# Altium PCB 2 Layers.PcbDoc (part 2 of 2)
Units mm, origin at the board's own origin, x right, y up, seen from the top; angles counter-clockwise.
Board outline 88.4 x 35.06 mm, 4 copper layers (Top Layer 1, Signal 1, Signal 2, Bottom Layer 1), stack 1.782 mm thick; 98 components, 66 nets, 394 pads, 465 vias.
Unrouted connection lines stored in the file: 2.
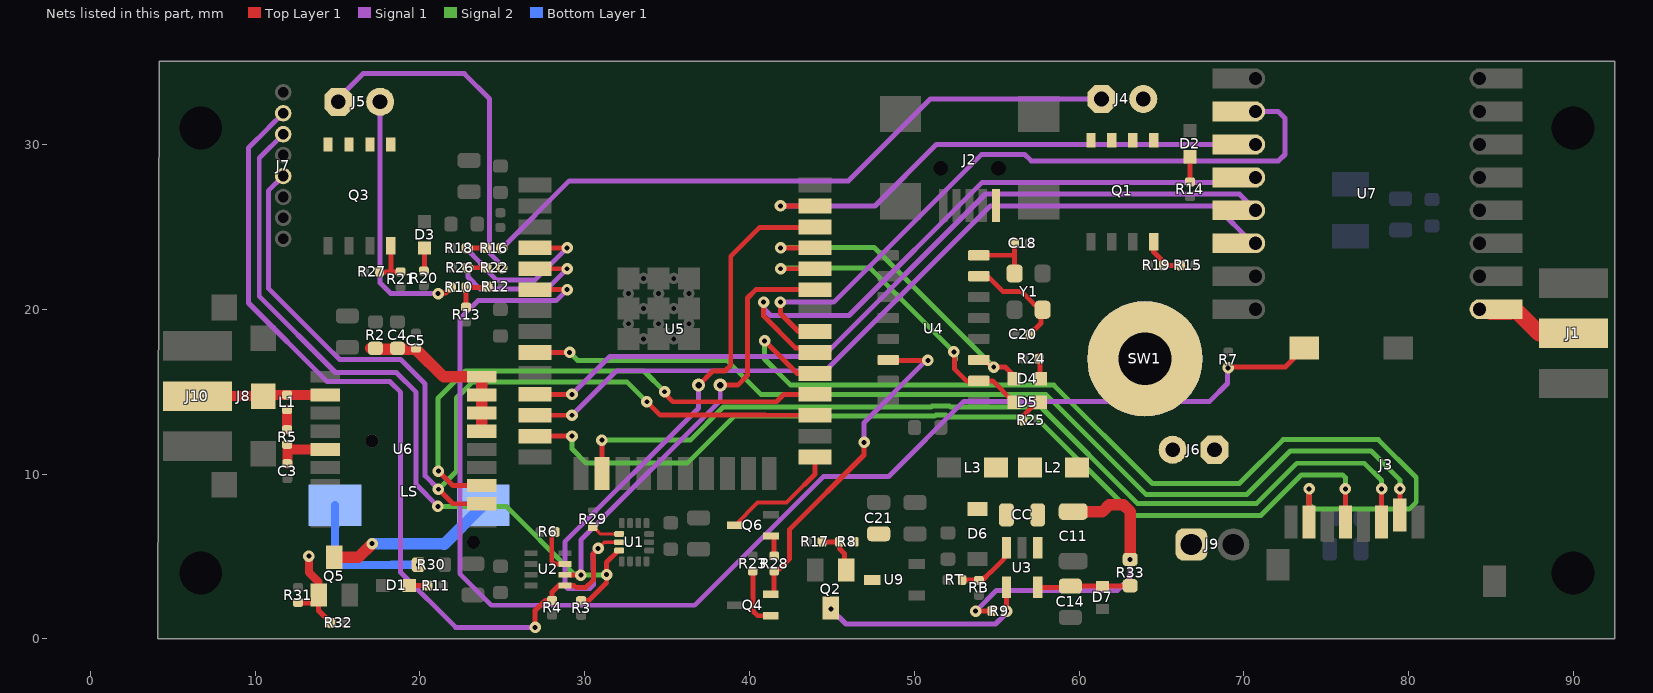
[diagram p4: the nets of this part, all layers, seen from the top]

## Via types
v1: diameter 0.8, hole 0.4, Top Layer 1 to Bottom Layer 1, tented both sides, 334 vias
v2: diameter 0.7, hole 0.3, Top Layer 1 to Bottom Layer 1, tented both sides, 106 vias
v3: diameter 0.7, hole 0.3, Top Layer 1 to Bottom Layer 1, 23 vias
v4: diameter 1.5, hole 1.5, Top Layer 1 to Bottom Layer 1, tented both sides, 2 vias

## Nets (pads, with @x,y where several pads share a name; then routed paths per layer and width w, separated by ;. In a path a pad name is that pad's centre, name@x,y a point inside that pad or via, vN(x,y) a via of type N, cw(c..) or ccw(c..) an arc to the next point about the centre after c; other vN are vias at no path point) (continued)
GPS_RX: U5.28 U6.3 | length 32
  Top Layer 1 w0.3: v2(21.124,10.183) 22.008,9.3 U6.3@23.75,9.3 ; v2(34.852,15) 34.852,14.892 35.353,14.391 41.639,14.391 42.091,14.843 U5.28@43.987,14.843
  Signal 2 w0.3: v2(21.124,10.183) 21.1,10.208 21.1,14.6 22.756,16.256 33.596,16.256 v2(34.852,15)
GPS_TX: J7.5 U5.27 U6.2 | length 57.8
  Top Layer 1 w0.3: v2(21.124,9.083) 22.008,8.2 U6.2@23.75,8.2 ; v2@33.803,14.367 34.593,13.577 40.93,13.577 40.934,13.573 U5.27@43.987,13.573
  Signal 1 w0.3: J7.5@11.7,28.09 11.697,28.09 10.8,27.193 10.8,21.277 14.2,17.877 15.125,16.952 18.835,16.952 20.317,15.47 20.317,9.891 v2(21.124,9.083)
  Signal 2 w0.3: v2(21.124,9.083) 22.218,10.177 22.218,14.618 23.2,15.6 32.561,15.6 v2(33.77,14.391)
IO0: Q6.3 U5.25 | length 7.2
  Top Layer 1 w0.25: Q6.3@39.11,6.894 40.492,8.276 42.252,8.276 43.338,9.362
  Top Layer 1 w0.3: 43.338,9.362 43.987,10.011 U5.25@43.987,11.033
NetC14_2: C14.2 D7.2 R33.1 U3.5 | length 5.6
  Top Layer 1 w0.3: U3.5@57.493,3.125 59.399,3.125 C14.2@59.478,3.204 D7.2@61.419,3.204 ; D7.2@61.419,3.222 63.094,3.222 R33.1@63.1,3.228
NetD1_1: D1.1 R11.1 | length 1.2
  Top Layer 1 w0.3: D1.1@19.349,3.245 19.364,3.229 R11.1@20.5,3.229
NetD2_1: D2.1 R14.1 | length 1.5
  Top Layer 1 w0.3: R14.1@66.734,27.739 D2.1@66.734,29.257
NetD3_1: D3.1 R20.1 | length 1.5
  Top Layer 1 w0.3: R20.1@20.087,22.278 20.112,22.278 20.237,22.403 20.237,22.529 20.287,22.579 D3.1@20.287,23.716
NetD4_1: D4.1 R24.1 | length 1.2
  Top Layer 1 w0.3: R24.1@57.564,17.187 57.62,17.131 D4.1@57.62,16.002
NetD5_1: D5.1 R25.1 | length 1.7
  Top Layer 1 w0.3: R25.1@56.606,13.259 56.606,13.549 57.174,14.117 57.399,14.117 D5.1@57.649,14.367
NetJ1_1: J1.1 U7.9 U7.9_1 | length 7.5
  Top Layer 1 w0.8: U7.9@84.979,19.762 U7.9@86.179,19.762
  Top Layer 1 w1: U7.9_1@84.3,20.009 U7.9@85.5,20.009 86.46,20.009 87.926,18.543 J1.1@90,18.543
NetJ4_1: J4.1 Q1.5 Q1.6 Q1.7 Q1.8 R16.2 | length 40.1
  Signal 1 w0.3: v2(24.98,23.716) 29.064,27.8 46.009,27.8 50.975,32.766 J4.1@61.357,32.766
NetJ5_1: J5.1 Q3.5 Q3.6 Q3.7 Q3.8 R22.2 | length 21.2
  Signal 1 w0.3: J5.1@15.047,32.596 15.047,32.798 16.549,34.3 22.7,34.3 24.234,32.766 24.234,24.031 24.23,24.026 24.23,23.405 24.773,22.862 24.773,22.826 24.966,22.632 v2(24.966,22.524)
NetJ6_1: J6.1 J9.1 SW1.2
NetJ8_3: J8.3 J10.1 L1.2 U6.11 | length 7.8
  Top Layer 1 w0.6: J10.1@6.5,14.734 10.496,14.734 J8.3@10.499,14.737 10.562,14.8 U6.11@14.25,14.8
NetL1_1: L1.1 R5.2 | length 1.2
  Top Layer 1 w0.6: R5.2@11.94,12.7 L1.1@11.94,13.911
NetLS_M: LS.M Q5.3 | length 10.5
  Top Layer 1 w0.7: Q5.3@14.799,4.954 16.277,4.954 v2(17.105,5.782)
  Bottom Layer 1 w0.7: v2(17.105,5.782) v2@17.125,5.762 ; v2@17.145,5.742 v2@17.125,5.762 ; 21.458,5.762 v2@17.125,5.762 ; 21.478,5.742 LS.M@23.675,7.939 ; LS.M@23.5,8.114 LS.M@23.85,8.114
NetLS_P: LS.P R30.1 | length 8.4
  Bottom Layer 1 w0.5: LS.P@14.85,8.114 14.85,4.892 15.25,4.491 18.287,4.491 18.296,4.501 v2(19.9,4.501)
NetQ1_4: Q1.4 R15.1 R19.2 | length 2.9
  Top Layer 1 w0.3: Q1.4@64.532,24.111 64.532,23.481 65.001,23.012 65.001,22.797 R19.2@65.126,22.672 66.258,22.672 R15.1@66.31,22.62
NetQ2_1: Q2.1 R8.1 R17.2 | length 3.2
  Top Layer 1 w0.3: R17.2@44.414,5.871 45.375,5.871 45.435,5.931 R8.1@45.58,5.786 ; R8.1@45.455,5.894 45.455,5.483 45.763,5.175 45.763,4.292 Q2.1@45.885,4.17
NetQ2_3: Q2.3 R9.1 U3.4 | length 12.9
  Top Layer 1 w0.3: U3.4@55.593,3.125 55.607,3.111 R9.1@55.607,1.822
  Signal 1 w0.3: v2(44.935,1.822) 45.857,0.9 54.934,0.9 55.457,1.423 55.457,1.446 55.53,1.519 55.53,1.745 v2@55.607,1.822
  other v2: 55.607,1.687
NetQ3_4: Q3.4 R21.1 R27.2 | length 2.9
  Top Layer 1 w0.3: R27.2@17.537,22.278 18.234,22.278 R21.1@18.828,22.278 ; Q3.4@18.234,23.845 18.234,22.372 18.327,22.278
NetQ4_1: Q4.1 R23.2 | length 3.4
  Top Layer 1 w0.3: R23.2@40.21,3.897 40.21,1.687 40.494,1.403 Q4.1@41.3,1.403
NetQ5_1: Q5.1 R31.1 R32.2 | length 6
  Top Layer 1 w0.3: R31.1@12.552,2.19 13.499,2.19 Q5.1@13.849,2.54 ; Q5.1@13.849,2.654 Q5.1@13.849,2.54 ; R32.2@14.593,0.966 R32.2@14.6,0.973 13.849,1.724 Q5.1@13.849,2.54
  Top Layer 1 w0.5: v3(13.266,5.02) 13.266,4.037 13.849,3.454 Q5.1@13.849,2.654
NetQ6_1: Q6.1 R28.2 | length 1.3
  Top Layer 1 w0.3: Q6.1@41.31,6.244 41.48,6.074 R28.2@41.48,5.025
NetR6_1: R6.1 U2.2 | length 2.7
  Top Layer 1 w0.3: R6.1@28.2,6.489 28,6.289 28,4.708 28.176,4.532 28.787,4.532 U2.2@28.8,4.545
NetR10_1: R10.1 R12.1 R13.2 | length 2.5
  Top Layer 1 w0.3: R13.2@22.802,20.135 R10.1@22.802,21.336 24.076,21.336 R12.1@24.118,21.378
NetR29_2: R29.2 U1.12 | length 1.8
  Top Layer 1 w0.2: R29.2@30.487,6.81 30.492,6.81 30.687,6.614 30.687,6.61 30.931,6.365 U1.12@32.09,6.365
NetRB_2: RB.2 RT.1 U3.3 | length 3.8
  Top Layer 1 w0.3: RT.1@52.893,3.575 54.143,3.575 54.587,4.019 54.609,4.019 55.372,4.783 55.372,4.804 55.593,5.025 U3.3@55.593,5.525
RFM_CLK: U5.30 U7.4 U7.4_1 | length 38.8
  Top Layer 1 w0.3: v2(40.86,20.437) 40.86,19.592 42.785,17.667 43.703,17.667 U5.30@43.987,17.383
  Signal 1 w0.3: v2(40.86,20.437) 40.913,20.384 40.913,19.987 41.275,19.626 46.042,19.626 54.124,27.708 69.733,27.708 70,27.975 70.666,27.975 U7.4_1@70.7,28.009
RFM_MISO: U5.31 U7.2 U7.2_1 | length 42.1
  Top Layer 1 w0.3: v2@41.883,20.437 41.883,19.747 42.977,18.653 U5.31@43.987,18.653
  Signal 1 w0.3: v2(41.877,20.437) 45.114,20.437 54.085,29.408 56.692,29.408 57.091,29.009 72.109,29.009 72.5,29.4 72.5,31.6 72.091,32.009 U7.2_1@70.7,32.009
RFM_MOSI: U5.37 U7.3 U7.3_1 | length 32.5
  Top Layer 1 w0.3: v2@41.877,26.266 v2(41.883,26.273) U5.37@43.987,26.273
  Signal 1 w0.3: v2(41.883,26.273) 47.614,26.273 51.351,30.009 U7.3_1@70.7,30.009
RFM_NSS: U5.11 U7.5 U7.5_1 | length 49.2
  Top Layer 1 w0.3: U5.11@26.987,14.843 v2(29.23,14.843)
  Signal 1 w0.3: v2(29.23,14.843) 31.532,17.145 44.466,17.145 54.321,27 69.733,27 70.7,26.033 U7.5_1@70.7,26.009
RFM_RESET: U5.12 U7.6 U7.6_1 | length 49.8
  Top Layer 1 w0.3: U5.12@26.987,13.573 v2(29.23,13.573)
  Signal 1 w0.3: v2(29.23,13.573) 31.93,16.273 44.613,16.273 54.613,26.273 68.282,26.273 U7.6_1@70.577,23.977
RST: Q4.2 R28.1 U4.14 | length 20.9
  Top Layer 1 w0.3: Q4.2@41.3,2.703 41.425,2.703 41.5,2.778 R28.1@41.5,4.125 ; R28.1@41.518,4.037 41.613,4.037 41.613,4.213 41.65,4.25 41.825,4.25 42.418,4.843 42.418,6.627 46.951,11.16 v2(46.951,11.924) ; U4.14@48.419,16.931 48.45,16.9 v2(50.828,16.9)
  Signal 1 w0.3: v2@46.951,11.924 46.951,13.114 50.737,16.9 v2(50.828,16.9)
RX: D4.2 U4.3 U5.35 | length 20.2
  Top Layer 1 w0.3: v2(41.894,23.733) U5.35@43.987,23.733 ; U4.3@54.264,16.931 54.699,16.496 v2(54.824,16.496) 55.526,16.496 D4.2@56.02,16.002
  Signal 2 w0.3: v2(41.894,23.733) 41.923,23.762 47.558,23.762 v2(54.824,16.496)
SCL: J7.2 R4.1 U1.13 U2.4 U5.36 | length 88.2
  Top Layer 1 w0.2: v2(30.813,5.491) 30.813,5.496 31.182,5.865 U1.13@32.09,5.865
  Top Layer 1 w0.3: v2(26.987,0.7) 26.987,1.719 27.607,2.339 R4.1@28.018,2.339 28.018,2.841 28.422,3.245 U2.4@28.8,3.245 29.343,3.245 29.461,3.126 30.083,3.126 30.522,3.565 30.522,4.822 30.5,4.844 30.5,5.168 30.813,5.48 v2(30.813,5.491) ; v1(36.915,15.402) 37.769,16.256 38.517,16.256 38.862,16.601 38.862,23.222 40.619,24.979 43.964,24.979 U5.36@43.987,25.003
  Signal 1 w0.3: J7.2@11.7,31.9 11.697,31.9 10.8,31.003 10.8,31 9.6,29.8 9.6,20.385 14.372,15.613 18.187,15.613 18.835,14.965 18.835,4.029 22.164,0.7 v2(26.987,0.7) ; v2(30.813,5.491) 30.813,5.48 30.5,5.168 30.5,4.209 30.522,4.187 30.522,3.262 30.324,3.064 28.969,3.064 28.794,3.24 28.794,5.894 36.915,14.015 v1@36.915,15.359
SD_CS: J3.2 U5.9 | length 60
  Top Layer 1 w0.3: U5.9@26.987,17.383 v2(29.083,17.383) ; J3.2@79.465,7.506 v2(79.465,9.102)
  Signal 2 w0.3: v2(29.083,17.383) 29.566,16.9 38.63,16.9 40.687,14.843 57.982,14.843 64.049,8.775 70.197,8.775 72.83,11.408 77.715,11.408 79.465,9.658 v2(79.465,9.102)
SD_IN: J3.9 R7.2 U5.6 | length 83.7
  Top Layer 1 w0.3: U5.6@26.987,21.193 v2(28.937,21.193) ; v2(69.053,16.451) 69.105,16.502 72.521,16.502 J3.9@73.675,17.656
  Signal 1 w0.3: v2(28.937,21.193) 28.269,20.524 23.524,20.524 22.424,19.424 22.424,3.953 24.335,2.042 36.678,2.042 44.479,9.843 48.44,9.843 53.014,14.417 67.924,14.417 69.007,15.5 69.007,16.404 v2(69.053,16.451)
SD_MISO: J3.7 U5.29 | length 60.9
  Top Layer 1 w0.3: v2(40.915,18.085) 42.887,16.113 U5.29@43.987,16.113 ; J3.7@73.965,7.106 v2(73.965,9.102)
  Signal 2 w0.3: v2(40.915,18.085) 40.915,16.985 42.498,15.402 58.472,15.402 64.442,9.433 69.728,9.433 ; 69.728,9.435 72.388,12.095 78.161,12.095 80.465,9.791 80.465,8.302 80.036,7.873 74.265,7.873 73.965,8.173 v2(73.965,9.102)
SD_MOSI: J3.3 U5.16 | length 56.5
  Top Layer 1 w0.3: U5.16@31.042,10.032 31.042,11.865 v2@31.115,11.938 ; J3.3@78.365,7.106 v2(78.365,9.102)
  Signal 2 w0.3: v2(31.042,12.065) 36.414,12.065 38.417,14.069 51.019,14.069 51.078,14.127 52.154,14.127 52.213,14.069 57.688,14.069 63.532,8.225 70.779,8.225 73.213,10.659 77.315,10.659 78.365,9.609 v2(78.365,9.102)
SD_SCK: J3.5 U5.13 | length 57.8
  Top Layer 1 w0.3: U5.13@26.987,12.303 v2(29.23,12.303) ; J3.5@76.165,7.106 v2(76.165,9.102)
  Signal 2 w0.3: v2(29.23,12.303) 29.23,11.537 30.099,10.668 36.23,10.668 39.078,13.516 51.245,13.516 51.305,13.577 51.927,13.577 52.044,13.46 57.374,13.46 63.342,7.492 71.037,7.492 73.503,9.958 75.989,9.958 76.165,9.782 v2(76.165,9.102)
SDA: J7.3 R3.1 U1.14 U2.3 U5.33 | length 73
  Top Layer 1 w0.25: 31.324,3.413 v2(31.324,3.895)
  Top Layer 1 w0.3: U2.3@28.8,3.895 28.819,3.876 v2(29.772,3.876) ; R3.1@29.782,2.321 30.232,2.321 31.324,3.413 ; v2(31.324,3.895) 31.324,4.647 31.968,5.29 32.015,5.29 U1.14@32.09,5.365 ; v1(38.227,15.402) 39.278,15.402 39.878,16.002 39.878,20.687 40.383,21.193 U5.33@43.987,21.193
  Signal 1 w0.3: J7.3@11.7,30.63 11.697,30.63 10.25,29.183 10.25,20.79 14.877,16.163 18.566,16.163 19.767,14.962 19.767,9.369 v2(21.093,8.043) ; v2(29.772,3.876) 29.772,6.007 38.227,14.462 v1(38.227,15.402)
  Signal 2 w0.3: v2(21.093,8.043) 25.233,8.043 29.323,3.953 29.707,3.953 29.772,3.888 31.318,3.888 v2(31.324,3.895)
SENSE1: R22.1 R26.2 U5.5 | length 10.6
  Top Layer 1 w0.3: R26.2@22.865,22.524 v2(22.915,22.524) R22.1@24.066,22.524 ; U5.5@26.987,22.463 v2(28.937,22.463)
  Signal 1 w0.3: v2(22.915,22.524) 22.915,21.964 23.655,21.224 27.699,21.224 v2(28.937,22.463)
  Bottom Layer 1 w0.3: v2@28.906,22.493 v2(28.937,22.463)
SENSE2: R16.1 R18.2 U5.4 | length 11
  Top Layer 1 w0.3: R18.2@22.809,23.716 v2(22.859,23.716) R16.1@24.03,23.716 ; U5.4@26.987,23.733 v2(28.937,23.733)
  Signal 1 w0.3: v2(22.859,23.716) 22.859,23.641 23.665,22.835 23.665,22.765 24.656,21.774 26.979,21.774 v2(28.937,23.733)
  Bottom Layer 1 w0.3: v2@28.929,23.724 v2(28.937,23.733)
SW1: CC.1 L2.2 U3.1
SW2: CC.2 D6.1 L3.2
TX: D5.2 U4.2 U5.34 | length 20.8
  Top Layer 1 w0.3: v2(41.894,22.463) U5.34@43.987,22.463 ; v2(52.405,17.42) 52.45,17.375 52.45,16.368 53.158,15.661 U4.2@53.919,15.661 54.754,15.661 D5.2@56.049,14.367
  Signal 2 w0.3: v2(41.894,22.463) 41.951,22.52 47.305,22.52 v2(52.405,17.42) 52.495,17.33 52.495,16.944 52.47,16.919
VBat: C11.2 J4.2 J5.2 J6.2 L2.1 R9.2 R10.2 R33.2 SW1.1 | length 34.8
  Top Layer 1 w0.3: v2(21.1,20.96) 21.124,20.984 21.55,20.984 21.752,21.186 21.777,21.186 21.902,21.311 R10.2@21.902,21.336 ; v2(53.724,1.687) R9.2@54.707,1.687
  Top Layer 1 w0.7: C11.2@59.643,7.725 61.418,7.725 61.832,8.139 62.69,8.139 63.1,7.729 v2(63.1,4.828)
  Signal 1 w0.3: J5.2@17.587,32.596 17.587,21.6 18.227,20.96 v2(21.1,20.96) ; v2(53.724,1.687) 54.974,2.937 62.322,2.937 63.1,3.715 v2(63.1,4.828)
VCC_GPS: C4.2 C5.2 R2.2 U6.6 U6.7 U6.8 U6.9 | length 10.7
  Top Layer 1 w0.7: R2.2@17.029,17.641 17.094,17.576 19.756,17.576 21.432,15.9 U6.9@23.75,15.9 U6.8@23.75,14.8 U6.7@23.75,13.7 U6.6@23.75,12.6
VCC_RF: C3.2 R5.1 U6.14 | length 3.2
  Top Layer 1 w0.6: R5.1@11.94,11.8 11.954,11.786 C3.2@11.954,10.632 ; 12.24,11.5 U6.14@14.25,11.5
VUSB: C21.2 J2.1 R8.2 U9.3
X1: C20.2 U4.7 Y1.3 | length 6.5
  Top Layer 1 w0.3: U4.7@53.919,22.011 54.456,22.011 55.372,21.096 56.483,21.096 57.272,20.307 57.46,20.307 57.728,20.039 57.728,19.851 57.696,19.82 57.696,19.173 57.024,18.501 C20.2@57.024,18.476
X2: C18.2 U4.8 Y1.1 | length 4.2
  Top Layer 1 w0.3: U4.8@54.043,23.157 U4.8@53.919,23.281 56.091,23.281 ; C18.2@56.025,24.009 56.091,23.943 56.091,23.281 ; Y1.1@56.091,22.175 56.091,23.281
pads on no net: J2.4 J2.MH J3.1 J3.8 LS. U1.2 U1.3 U1.4 U1.9 U1.10 U1.11 U4.9 U4.10 U4.11 U4.12 U4.15 U5.17 U5.18 U5.19 U5.20 U5.21 U5.22 U5.32 U6.4 U6.5 U6.13 U6.15 U6.16 U6.17 U6.18 U7.11 U7.11_1 U7.12 U7.12_1 U7.16 U7.16_1
copper on no net:
  other v4: 5.595,9.887 5.595,19.587

## Polygon pours and split planes (outlines as drawn)
GND on Top Layer 1 "full" (solid, remove dead copper, pour order 33): 4.101,21.186 11.44,21.186 11.44,8.169 4.101,8.169 4.101,0 92.5,0 92.5,35.062 4.2,35.062 4.101,34.963
GND on Top Layer 1 "GND_L01_P026" (solid, remove dead copper, pour order 26): 4.027,21.437 4.051,21.451 13.629,21.451 13.629,6.91 3.994,6.907 3.994,21.404
VBat on Top Layer 1 "full" (solid, remove dead copper, pour order 4): 66.684,20.509 67.5,19.692 67.529,19.625 67.44,10.011 65.377,10.011 65.377,6.894 58.568,6.894 58.568,11.014 60.469,11.014 60.47,19.778 61.2,20.509
GND on Top Layer 1 "full" (solid, remove dead copper, pour order 7): 66.684,5.407 69.7,5.407 69.7,0 63.167,0 48,0 48,6.208 65.883,6.208
NetJ6_1 on Top Layer 1 "FULL" (solid, remove dead copper, pour order 2): 65.727,9.635 67.293,9.634 67.293,12.382 69.103,12.382 69.103,8.116 67.5,8.116 67.5,2.038 65.727,2.038
3.3V on Top Layer 1 "full" (solid, remove dead copper, pour order 12): 86.9,28.7 76,28.7 76,26.219 76.038,26.181 76.123,26.266 82.866,26.266 83.8,27.2 86.9,27.2
GND on Top Layer 1 "full" (solid, remove dead copper, pour order 20): 57.132,21.303 57.572,20.863 57.574,20.863 63.897,20.863 64.536,21.502 64.536,23.042 63.839,23.042 63.839,25.3 59.518,25.3 59.518,34.782 59.5,34.8 43.7,34.8 43.7,30.997 43.737,30.96 56.574,30.96 56.574,23.762 56.604,23.733 57.132,23.732
VUSB on Top Layer 1 "full" (solid, remove dead copper, pour order 1): 46.697,5.839 46.697,3.075 48.175,3.075 48.175,5.803 48.143,5.839 49.029,5.839 49.029,12.937 47.279,14.687 47.279,29.4 53.724,29.4 53.724,26.536 54.733,25.527 56.446,25.527 56.446,30.587 45.635,30.587 45.635,5.839
3.3V on Top Layer 1 "full" (solid, remove dead copper, pour order 17): 20.987,5.39 27.163,5.39 27.163,3.613 20.987,3.613
3.3V on Top Layer 1 "full" (solid, remove dead copper, pour order 0): 49.197,5.407 49.174,5.384 48.175,5.384 48.175,3.075 49.197,3.075 54.497,3.075 54.497,5.329 54.288,5.538 51.23,5.538 51.23,6.98 51.201,7.009 49.197,7.009
SW1 on Top Layer 1 "full" (solid, remove dead copper, pour order 30): 56.3,11.007 56.368,10.939 58.025,10.939 58.025,4.909 57.172,4.909 57.172,6.578 57.056,6.694 56.3,6.694 56.3,10.939 57.875,10.939
SW2 on Top Layer 1 "full" (solid, remove dead copper, pour order 27): 54.138,11.033 54.14,11.035 56.006,11.035 56.006,6.694 53.201,6.694 53.201,8.524 53.272,8.594 54.138,8.594 54.138,11.016 54.156,11.035
GND on Top Layer 1 "full" (solid, remove dead copper, pour order 19): 17.3,24.6 13.7,24.6 13.7,20.687 17.3,20.687 17.3,22.672
no net on Top Layer 1 "NONET_L01_P010" (solid, remove dead copper, pour order 10): 56.286,27.608 56.3,27.622 56.3,30.7 47.9,30.7
NetJ4_1 on Top Layer 1 "full" (solid, remove dead copper, pour order 11): 60,34.2 60,25.4 65.277,25.4 65.377,25.3 65.377,30.96 62.524,30.96 62.524,34.166 60.097,34.166
NetJ5_1 on Top Layer 1 "full" (solid, remove dead copper, pour order 21): 13.7,34.1 13.679,34.079 13.679,25.169 18.549,25.169 18.639,25.259 18.639,30.5 16.165,30.5 16.165,33.996 13.799,33.996
3.3V on Top Layer 1 "full" (solid, remove dead copper, pour order 15): 27.953,26.689 27.942,26.7 25.5,26.7 25.5,27.721 21.965,27.721 21.965,29.265 22,29.3 18.979,29.3 18.979,25.963 19.116,25.825 27.953,25.825
GND on Top Layer 1 "full" (solid, remove dead copper, pour order 18): 19.687,25.75 19.737,25.7 22.4,25.7 22.4,22.1 20.825,22.1 20.825,24.4 19.7,24.4 19.7,25.687 19.687,25.7
GND on Top Layer 1 "full" (solid, remove dead copper, pour order 6): 46.991,9.609 50.495,9.609 50.495,5.751 46.991,5.751
GND on Signal 2 "full" (solid, remove dead copper, pour order 29): 4.2,35.062 4.2,0 92.5,0 92.5,35.062
3.3V on Signal 2 "full" (solid, remove dead copper, pour order 14): 83.477,28.6 83.477,27.2 83.477,0.4 18.4,0.4 18.4,18 15.074,18 15.074,20.5 18.4,20.5 18.4,28.2 12.5,28.2 12.5,32.596 11.027,32.596 11.027,33.996 13.704,33.996 13.829,33.871 13.829,29.3 22,29.3 22,26.793 20.7,26.793 20.7,6.05 37.874,6.05 38.517,5.407 49.197,5.407 49.197,8.904 51.201,8.904 51.201,5.565 65.03,5.565 65.03,2.6 76.7,2.6 76.7,6.05 77.6,6.05 77.6,2.6 81.82,2.6 81.82,26.181 75.945,26.181 75.945,28.6
VBat on Signal 2 "full" (solid, remove dead copper, pour order 5): 63.189,19.456 66.413,19.456 66.413,14.444 66.457,14.4 63.189,14.4 63.189,9.7 63.1,9.7 63.168,9.633 66.907,9.632 66.907,12.295 69.053,12.295 69.053,34.97 68.961,35.062 63.1,35.062 63.1,31.3 45.3,31.3 45.3,28.2 25.5,28.2 25.5,35 16.4,35 16.4,31.249 16.451,31.3 22.4,31.3 22.4,25.7 22.5,25.8 63.189,25.8
GND on Bottom Layer 1 "full" (solid, remove dead copper, pour order 32): 4.2,21.444 4.207,21.451 11.427,21.451 11.427,8.202 11.425,8.2 11.339,8.286 4.2,8.286 4.2,0 92.5,0 92.5,35.062 4.2,35.062
GND on Bottom Layer 1 "full" (solid, remove dead copper, pour order 31): 4.2,35.062 4.2,0 92.5,0 92.5,35.062
no net on Bottom Layer 1 "full" (solid, remove dead copper, pour order 22): 66.613,12.7 66.613,12.688 67.293,12.009 67.293,9.432 69.32,9.433 69.32,20.688 60,20.688 60,12.7
3.3V on Bottom Layer 1 "full" (solid, remove dead copper, pour order 3): 74.815,28.642 82.236,28.642 82.32,28.557 82.32,26.05 74.815,26.05
GND on Signal 1 "full" (solid, remove dead copper, pour order 28): 4.2,35.062 4.2,0 92.5,0 92.5,35.062

## Keep-outs
Keep-Out Layer:
  text "'.Layer_Name'" at 300.5,-183.388 h1.5

## Other copper
Top Layer 1:
  pour cut-out: 32.511,6.609 33.58,6.599 33.584,5.226 32.511,5.226
  text "'.ProjectRevisionART'" at 335.678,-183.21 h1.5
  text "'.Layer_Name'" at 300.5,-183.388 h1.5
Bottom Layer 1:
  text "04-'.ProjectPCBNumber'-R'.ProjectRevisionART'" at 242,-133.138 h1.2
  text ".ProjectRevisionART" at 335.678,-183.21 h1.5
  text ".ProjectRevisionART" at 335.678,-183.21 h1.5
  text "'.ProjectRevisionART'" at 335.678,-183.21 h1.5
  text "'.Layer_Name'" at 300.5,-183.388 h1.5

## Silkscreen, mask and mechanical layers (free items; w line width, h text height)
Top Overlay:
  region: 289.8,-146.738 289.8,-144.738 291.8,-145.738
  lines w0.2: 21.299,22.028 21.299,24.28 ; 21.299,22.028 21.299,20.782 25.587,20.782 25.587,24.28 21.299,24.28 ; 21.299,22.028 21.299,24.28 ; 21.299,24.28 21.299,30.782 ; 21.299,30.782 24.48,30.782 24.48,34.212 20.312,34.212 20.3,34.2 20.3,30.794 20.312,30.782 21.299,30.782
  lines w0.254: 4.5,26.429 6.639,26.429 9.57,29.36 11.698,29.36 ; 4.5,27.632 6.432,27.632 9.363,30.563 11.633,30.563 ; 4.6,22.493 8.131,22.493 9.918,24.28 11.698,24.28 ; 4.6,23.889 6.989,23.889 9.92,26.82 11.698,26.82 ; 4.6,25.159 6.759,25.159 9.69,28.09 11.698,28.09 ; 4.6,32.909 8.391,32.909 9.4,31.9 11.7,31.9 ; 4.6,34.048 8.652,34.048 9.53,33.17 11.7,33.17
  text "3.3V" at 4.6,34.212 h1
  text "SCL" at 4.6,33.182 h1
  text "+" at 65.727,32.384 h1
  text "+" at 19.269,32.054 h1
  text "SDA" at 4.5,27.812 h1
  text "Piezo" at 4.4,26.631 h1
  text "GPS" at 4.4,25.328 h1
  text "Fire1" at 4.5,24.095 h1
  text "GND" at 4.5,22.656 h1
  text "+" at 66.213,1.2 h1
  text "-" at 69.168,1.22 h1
  text "C" at 259.5,-136.935 h8
  text "'.ProjectPartNumber'" at 231.5,-137.638 h1.2
  text "" at 252.5,-138.238 h8
  text "5" at 278.5,-138.832 h8
  text "7" at 288.5,-138.832 h8
  text "0" at 298.5,-138.832 h8
  text "1" at 308.5,-138.832 h8
  text "6" at 268.5,-138.865 h8
  text "2" at 318.5,-138.865 h8
  text "3" at 328.5,-138.865 h8
  text "4" at 338.58,-138.865 h8
  text "ICD" at 284.4,-146.638 h1.52
  text "M" at 262,-153.138 h10
  text "" at 315,-153.597 h10
  text "" at 294,-153.622 h10
  text "" at 305,-153.622 h10
  text "" at 324,-153.622 h10
  text "" at 335,-153.622 h10
  text "" at 346,-153.797 h10
  text "*h" at 227.7,-154.638 h7
  text "" at 286,-156.638 h10
  text "dsPICDEM.net™" at 185.75,-163.388 h3
  text "mTouch®" at 208,-163.388 h3
  text "chipKIT™" at 222.25,-163.388 h3
  text "dsPICDEM™" at 185.5,-169.138 h3
  text "MPLAB®" at 208,-169.638 h3
  text "dsPIC®" at 222.25,-169.638 h3
  text "PICDEM.net™" at 185.5,-175.388 h3
  text "PICkit™" at 208.25,-175.638 h3
  text "PIC®" at 222.25,-175.638 h3
  text "PICDEM™" at 185.5,-181.888 h3
  text "PICtail™" at 208.25,-181.888 h3
  text "'.ProjectRevisionART'" at 335.678,-183.21 h1.5
  text "'.Layer_Name'" at 300.5,-183.388 h1.5
Bottom Overlay:
  text "'.ProjectRevisionART'" at 335.678,-183.21 h1.5
  text "'.Layer_Name'" at 300.5,-183.388 h1.5
Top Paste:
  text "'.ProjectRevisionART'" at 335.678,-183.21 h1.5
  text "'.Layer_Name'" at 300.5,-183.388 h1.5
Bottom Paste:
  text "'.ProjectRevisionART'" at 335.678,-183.21 h1.5
  text "'.Layer_Name'" at 300.5,-183.388 h1.5
Top Solder:
  text "'.ProjectRevisionART'" at 335.678,-183.21 h1.5
  text "'.Layer_Name'" at 300.5,-183.388 h1.5
Bottom Solder:
  text "'.ProjectRevisionART'" at 335.678,-183.21 h1.5
  text "'.Layer_Name'" at 300.5,-183.388 h1.5
NOTES (M1):
  text "ASSEMBLY NOTES:" at 29.4,-133.738 h4
  text "1. ALL COMPONENTS SHALL BE RoHS COMPLIANT." at -4.7,-138.838 h3
  text "2. ALL UNUSED THROUGH HOLE COMPONENT LOCATIONS SHALL BE FREE OF SOLDER." at -4.7,-141.838 h3
  text "3. ALL COMPONENTS SHALL BE MOUNTED FLUSH TO THE BOARD, EXCEPT AS NOTED." at -4.7,-144.838 h3
  text "4. FINISHED BOARD SHALL BE FREE OF ALL RESIDUES." at -4.7,-147.838 h3
  text "5. ALL LEADS SHALL BE TRIMMED TO A MAXIMUM HEIGHT OF 2mm" at -4.7,-150.838 h3
  text "'.Layer_Name'" at 318.5,-183.388 h1.5
BOARD (M2):
  the board outline again, w0.1
  text "'.ProjectRevisionART'" at 335.678,-183.21 h1.5
  text "'.Layer_Name'" at 300.5,-183.388 h1.5
REF POINTS (M3):
  text "'.Layer_Name'" at 300.5,-183.388 h1.5
FAB (M4):
  drawing of 392 lines, arcs and shapes, not listed
  text "THIS PCB TO BE MANUFACTURED TO MEET ALL ACCEPTANCE LEVELS" at 236.989,27.024 h1.78
  text "OF A CLASS 2 PCB PER ANSI/IPC-A-600G." at 236.989,23.214 h1.78
  text "MATERIAL:" at 236.989,18.594 h1.78
  text "FR-4 or Equivalent" at 257.309,18.594 h1.78
  text "CONTROLLED IMPEDANCE" at 313.5,14.362 h1.78
  text "MULTILAYER" at 263.024,14.244 h1.78
  text "2" at 286.519,14.244 h1.78
  text "LAYERS" at 290.964,14.244 h1.78
  text "Cu WEIGHT EXTERNAL LAYERS" at 257.309,9.394 h1.78
  text "35um" at 309.379,9.394 h1.78
  text "FINISHED" at 318.904,9.394 h1.78
  text "Cu WEIGHT INTERNAL LAYERS" at 257.309,4.544 h1.78
  text "N/A" at 309.379,4.544 h1.78
  text "FINISHED" at 318.904,4.544 h1.78
  text "FINISHED OVERALL THICKNESS" at 257.309,-0.306 h1.78
  text "1.6" at 310.649,-0.306 h1.78
  text "mm" at 318.904,-0.306 h1.78
  text "10" at 333.509,-0.306 h1.78
  text "%" at 341.764,-0.306 h1.78
  text "COPPER THIEVING ALLOWED" at 257.5,-5.138 h1.78
  text "YES" at 314.5,-5.138 h1.78
  text "NO" at 331.5,-5.138 h1.78
  text "X" at 326.091,-5.638 h2.6
  text "FINISH:" at 237,-9.638 h1.78
  text "LEAD-FREE HOT AIR LEVELING" at 263,-9.938 h1.78
  text "X" at 258.4,-10.638 h2.6
  text "IMMERSION GOLD" at 263.024,-15.476 h1.78
  text "IMMERSION TIN" at 263.024,-20.976 h1.78
  text "SMOBC WITH SELECTIVE GOLD PLATING ON LANDS" at 263.024,-24.681 h1.78
  text "INDICATED. 1um GOLD OVER 5-10 um NICKEL" at 263.024,-28.491 h1.78
  text "SOLDERMASK" at 257.309,-33.826 h1.78
  text "DYNACHEM EPIC 200 LPI OR EQUIVALENT" at 278.899,-33.826 h1.78
  text "SOLDERMASK COLOR" at 257.309,-40.176 h1.78
  text "GREEN HIGH GLOSS" at 289.059,-40.176 h1.78
  text "SILKSCREEN COLOR" at 257.309,-46.526 h1.78
  text "WHITE" at 289.059,-46.526 h1.78
  text "Blind / Burried Vias" at 263.5,-52.638 h1.78
  text "DRILLING:" at 237.5,-52.888 h1.78
  text "Via Layer Pairs" at 258,-57.388 h1.78
  text "Top-Bottom" at 278.75,-57.388 h1.78
  text "ALL HOLES TO BE LOCATED BY THE COORDINATES FROM THE NC DRILL DATA PROVIDED." at 236.989,-62.638 h1.78
  text "05-'.ProjectPCBNumber'" at 269,-69.138 h1.78
  text "PCB REV" at 305,-69.138 h1.78
  text "USE ARTWORK SET NO." at 236.989,-69.226 h1.78
  text "'.ProjectRevisionART'" at 318.15,-69.388 h1.78
  text "ALL UL LOGO, MANUFACTURER'S ID, AND DATE CODES SHALL BE PLACED" at 236.989,-75.576 h1.78
  text "Layer" at 224.029,-78.613 h1.52
  text "Name" at 234.441,-78.613 h1.52
  text "Material" at 258.056,-78.613 h1.52
  text "Thickness" at 279.894,-78.613 h1.52
  text "Constant" at 296.4,-78.613 h1.52
  text "Gerber" at 310.875,-78.613 h1.52
  text "Board Layer Stack" at 322.81,-78.613 h1.52
  text "ON THE BOTTOM SIDE UNLESS OTHERWISE INDICATED." at 236.989,-79.386 h1.78
  text "Top Overlay" at 234.441,-81.661 h1.52
  text "GTO" at 310.875,-81.661 h1.52
  text "ANY ALTERNATIVES TO THE ABOVE SPECIFICATIONS MUST FIRST BE APPROVED." at 236.5,-84.638 h1.78
  text "Top Solder" at 234.441,-84.709 h1.52
  text "Solder Resist" at 258.056,-84.709 h1.52
  text "0,010mm" at 279.894,-84.709 h1.52
  text "3.5" at 296.4,-84.709 h1.52
  text "GTS" at 310.875,-84.709 h1.52
  text "1" at 224.029,-87.757 h1.52
  text "Top Layer 1" at 234.441,-87.757 h1.52
  text "CF-004" at 258.056,-87.757 h1.52
  text "0,035mm" at 279.894,-87.757 h1.52
  text "GTL" at 310.875,-87.757 h1.52
  text "Dielectric 1" at 234.441,-90.805 h1.52
  text "PP-006" at 258.056,-90.805 h1.52
  text "0,071mm" at 279.894,-90.805 h1.52
  text "4.1" at 296.4,-90.805 h1.52
  text "2" at 224.029,-93.853 h1.52
  text "Signal 1" at 234.441,-93.853 h1.52
  text "CF-004" at 258.056,-93.853 h1.52
  text "0,035mm" at 279.894,-93.853 h1.52
  text "G1" at 310.875,-93.853 h1.52
  text "Dielectric1" at 234.441,-96.901 h1.52
  text "FR-4" at 258.056,-96.901 h1.52
  text "1,500mm" at 279.894,-96.901 h1.52
  text "4.8" at 296.4,-96.901 h1.52
  text "3" at 224.029,-99.949 h1.52
  text "Signal 2" at 234.441,-99.949 h1.52
  text "CF-004" at 258.056,-99.949 h1.52
  text "0,035mm" at 279.894,-99.949 h1.52
  text "G2" at 310.875,-99.949 h1.52
  text "Dielectric 2" at 234.441,-102.997 h1.52
  text "PP-006" at 258.056,-102.997 h1.52
  text "0,071mm" at 279.894,-102.997 h1.52
  text "4.1" at 296.4,-102.997 h1.52
  text "4" at 224.029,-106.045 h1.52
  text "Bottom Layer 1" at 234.441,-106.045 h1.52
  text "CF-004" at 258.056,-106.045 h1.52
  text "0,035mm" at 279.894,-106.045 h1.52
  text "GBL" at 310.875,-106.045 h1.52
  text "Bottom Solder" at 234.441,-109.093 h1.52
  text "Solder Resist" at 258.056,-109.093 h1.52
  text "0,010mm" at 279.894,-109.093 h1.52
  text "3.5" at 296.4,-109.093 h1.52
  text "GBS" at 310.875,-109.093 h1.52
  text "Bottom Overlay" at 234.441,-112.141 h1.52
  text "GBO" at 310.875,-112.141 h1.52
  text "Total board thickness:" at 224.029,-115.189 h1.52
  text "1,802mm" at 279.894,-115.189 h1.52
  text "'.ProjectRevisionFAB'" at 335.678,-183.21 h1.5
  text "'.Layer_Name'" at 300.5,-183.388 h1.5
Case (M5):
  text "'.Layer_Name'" at 300.5,-183.388 h1.5
Cover (M6):
  text "'.Layer_Name'" at 300.5,-183.388 h1.5
Terminal Block (M7):
  text "'.Layer_Name'" at 300.5,-183.388 h1.5
Route Tool Path:
  text "'.Layer_Name'" at 300.5,-183.388 h1.5
V-Cut (M9):
  text "'.Layer_Name'" at 300.5,-183.388 h1.5
Bottom Assembly:
  text "'.VariantName'" at 50.07,-167.388 h0.9
  text "ASSEMBLY VARIANT:" at 64.32,-167.388 h0.9
  text "DOCUMENT NUMBER:" at 18.05,-175.638 h1.14
  text "02-'.ProjectPCBAssyNumber'-D" at 17.8,-178.638 h1.6
  text "'.ProjectRevisionASSY'" at 1.122,-183.21 h1.5
  text "'.Layer_Name'" at 36,-183.388 h1
Top Assembly:
  text "6. PLACE LABEL  ON THE LOCATION INDICATED." at -4.7,-153.838 h3
  text "7." at -4.7,-156.838 h3
  text "ASSEMBLY VARIANT:" at 272.5,-167.388 h0.9
  text "'.VariantName'" at 286.75,-167.388 h0.9
  text "DOCUMENT NUMBER:" at 318.75,-175.638 h1.15
  text "02-'.ProjectPCBAssyNumber'-D" at 319,-178.638 h1.6
  text "'.ProjectRevisionASSY'" at 335.678,-183.21 h1.5
  text "'.Layer_Name'" at 300.5,-183.388 h1
Bottom 3D Body:
  text "'.Layer_Name'" at 300.5,-183.388 h1.15
Top 3D Body:
  text "'.Layer_Name'" at 300.5,-183.388 h1.2
Bottom Courtyard:
  text ".ProjectRevisionART" at 335.678,-183.21 h1.5
  text "'.Layer_Name'" at 300.5,-183.388 h1
Top Courtyard:
  text "'.ProjectRevisionART'" at 335.678,-183.21 h1.5
  text "'.Layer_Name'" at 300.5,-183.388 h1.1
TITLE (M16):
  lines w0.1: 272,-166.138 353.82,-166.138 ; 324,-158.638 324,-161.638 353.82,-161.638 ; 342.54,-183.273 342.54,-182.003 ; 342.54,-182.638 352.7,-182.638 ; 342.7,-181.438 342.7,-180.438 ; 342.7,-180.938 352.7,-180.938 ; 345.08,-183.273 345.08,-182.003 ; 347.62,-183.273 347.62,-182.003 ; 347.7,-181.238 347.7,-180.638 ; 350.16,-183.273 350.16,-182.003 ; 352.7,-183.273 352.7,-182.003 ; 352.7,-181.438 352.7,-180.438 ; 353.82,-161.638 353.82,-161.638
  lines w0.127: -22.1,-128.813 -17.02,-128.813 ; -22.1,-68.488 -17.02,-68.488 ; -22.1,-8.163 -17.02,-8.163 ; 41.4,-189.138 41.4,-184.058 ; 41.4,47.082 41.4,52.162 ; 104.9,-189.138 104.9,-184.058 ; 104.9,47.082 104.9,52.162 ; 168.4,-189.138 168.4,-184.058 ; 168.4,47.082 168.4,52.162 ; 203.96,-184.058 239.52,-184.058 ; 231.9,-189.138 231.9,-184.058 ; 231.9,47.082 231.9,52.162 ; 272,-184.058 272,-158.638 ; 272,-179.638 353.82,-179.638 ; 272,-173.638 353.82,-173.638 ; 272,-167.638 353.82,-167.638 ; 295.4,-189.138 295.4,-184.058 ; 295.4,47.082 295.4,52.162 ; 300,-184.058 300,-167.638 ; 318,-179.638 318,-173.638 ; 331,-184.058 331,-179.638 ; 338.5,-184.058 338.5,-173.638 ; 353.82,-153.578 353.82,-184.058 ; 353.82,-128.813 358.9,-128.813 ; 353.82,-68.488 358.9,-68.488 ; 353.82,-8.163 358.9,-8.163 ; 353.82,-184.058 353.82,-158.638 238,-158.638 238,-184.058 353.82,-184.058 ; 353.82,-184.058 -17.02,-184.058 -17.02,47.082 353.82,47.082 353.82,-184.058 ; -22.1,-189.138 358.9,-189.138 358.9,52.162 -22.1,52.162 -22.1,-189.138
  lines w0.254: 243.32,38.082 243.32,42.582 243.32,47.082 ; 255.82,38.082 255.82,42.582 255.82,47.082 ; 334.32,38.082 334.32,42.582 334.32,47.082 ; 353.82,42.582 232.32,42.582 ; 232.32,42.582 232.32,47.082 353.82,47.082 353.82,38.082 232.32,38.082 232.32,42.582
  text "1" at 9.176,48.86 h1.78
  text "2" at 72.566,48.86 h1.78
  text "3" at 135.795,48.86 h1.78
  text "4" at 199.464,48.86 h1.78
  text "5" at 262.939,48.86 h1.78
  text "6" at 326.566,48.86 h1.78
  text "REV" at 234.82,44.082 h1.52
  text "ECO" at 244.82,44.082 h1.52
  text "Comments" at 291.32,43.582 h1.52
  text "Date" at 339.32,43.582 h1.52
  text "A" at -20.195,19.828 h1.78
  text "A" at 355.725,19.828 h1.78
  text "B" at -20.195,-40.624 h1.78
  text "B" at 355.725,-40.624 h1.78
  text "C" at -20.195,-100.949 h1.78
  text "C" at 355.725,-100.949 h1.78
  text "PART NUMBER:" at 325,-160.638 h1
  text "'.ProjectpartNumber'" at 337,-160.888 h1.5
  text "D" at -20.195,-161.147 h1.78
  text "TITLE:" at 273,-161.138 h1.14
  text "D" at 355.725,-161.147 h1.78
  text "'.ProjectTitle'" at 273,-165.138 h2.5
  text "PCB Layout Contact:" at 273,-169.638 h1.15
  text "GERBER FILE:" at 301,-169.638 h1.15
  text "'.ProjectDrawnBy'" at 273,-172.638 h1.6
  text "'.Plot_File_Name'" at 301,-172.638 h1.5
  text "M" at 241,-174.638 h15.24
  text "Project Owner:" at 273,-175.638 h1.15
  text "BOARD NUMBER:" at 301,-175.638 h1.15
  text "DATE:" at 339.7,-175.638 h1.14
  text "Microchip Technology Inc." at 239.77,-177.898 h1.78
  text "'.ProjectEngineer'" at 273,-178.638 h1.6
  text "04-'.ProjectPCBNumber'" at 301,-178.638 h1.6
  text "'.PRINT_DATE'" at 339.7,-178.638 h1.5
  text "2355 W. Chandler Blvd." at 241,-180.638 h1.78
  text "LAYER NAME:" at 301,-181.138 h1.14
  text "10mm" at 339,-181.238 h0.7
  text "PCB FILE NAME:" at 273,-181.388 h1.15
  text "REV:" at 331.75,-181.388 h1.14
  text "400mil" at 338.9,-182.938 h0.7
  text "Chandler, AZ  85224" at 242,-183.138 h1.78
  text "'.PCB_FILE_NAME_NO_PATH'" at 273,-183.388 h1
  text "1" at 9.176,-187.36 h1.78
  text "2" at 72.566,-187.36 h1.78
  text "3" at 135.795,-187.36 h1.78
  text "4" at 199.464,-187.36 h1.78
  text "5" at 262.939,-187.36 h1.78
  text "6" at 326.566,-187.36 h1.78
Drill Drawing:
  circle w0.25: c-5.348,-69.733 r0.833
  circle w0.25: c-5.348,-88.483 r0.5
  circle w0.25: c-5.348,-88.483 r0.833
  lines w0.25: -6.181,-107.65 -5.764,-107.65 -5.764,-108.067 -4.931,-108.067 -4.931,-107.65 -4.514,-107.65 -4.514,-106.817 -4.931,-106.817 -4.931,-106.4 -5.764,-106.4 -5.764,-106.817 -6.181,-106.817 -6.181,-107.65 ; -6.181,-104.317 -5.348,-103.9 -4.514,-104.317 -4.931,-103.483 -4.514,-102.65 -5.348,-103.067 -6.181,-102.65 -5.764,-103.483 -6.181,-104.317 ; -6.181,-100.567 -4.514,-100.567 -4.514,-98.9 -6.181,-98.9 -6.181,-100.567 ; -6.181,-96.817 -4.514,-96.817 -4.514,-95.15 -6.181,-95.15 -6.181,-96.817 ; -6.181,-93.067 -6.181,-92.65 -5.764,-92.233 -6.181,-91.817 -6.181,-91.4 -5.764,-91.4 -5.348,-91.817 -4.931,-91.4 -4.514,-91.4 -4.514,-91.817 -4.931,-92.233 -4.514,-92.65 -4.514,-93.067 -4.931,-93.067 -5.348,-92.65 -5.764,-93.067 -6.181,-93.067 ; -6.181,-83.9 -4.514,-83.9 -5.348,-85.567 -6.181,-83.9 ; -6.181,-81.817 -5.348,-81.4 -4.514,-81.817 -4.931,-80.983 -4.514,-80.15 -5.348,-80.567 -6.181,-80.15 -5.764,-80.983 -6.181,-81.817 ; -6.181,-76.4 -4.514,-76.4 -5.348,-78.067 -6.181,-76.4 ; -6.181,-73.9 -5.764,-73.9 -5.348,-74.317 -4.931,-73.9 -4.514,-73.9 -4.931,-73.483 -4.514,-73.067 -4.931,-73.067 -5.348,-72.65 -5.764,-73.067 -6.181,-73.067 -5.764,-73.483 -6.181,-73.9 ; -5.848,-96.483 -4.848,-96.483 -4.848,-95.483 -5.848,-95.483 -5.848,-96.483 ; -5.848,-84.233 -4.848,-84.233 -5.348,-85.233 -5.848,-84.233 ; -5.848,-81.483 -5.348,-81.233 -4.848,-81.483 -5.098,-80.983 -4.848,-80.483 -5.348,-80.733 -5.848,-80.483 -5.598,-80.983 -5.848,-81.483 ; -5.848,-73.733 -5.598,-73.733 -5.348,-73.983 -5.098,-73.733 -4.848,-73.733 -5.098,-73.483 -4.848,-73.233 -5.098,-73.233 -5.348,-72.983 -5.598,-73.233 -5.848,-73.233 -5.598,-73.483 -5.848,-73.733
  lines w0.3: -7.676,-109.192 202.616,-109.192 ; -7.676,-67.942 202.616,-67.942 ; 6.096,-112.942 6.096,-64.192 ; 23.541,-112.942 23.541,-64.192 ; 57.182,-112.942 57.182,-64.192 ; 69.828,-112.942 69.828,-64.192 ; 112.815,-112.942 112.815,-64.192 ; 127.562,-112.942 127.562,-64.192 ; 145.907,-112.942 145.907,-64.192 ; 167.551,-112.942 167.551,-64.192 ; -7.676,-112.942 202.616,-112.942 202.616,-64.192 -7.676,-64.192 -7.676,-112.942
  text "Symbol" at -5.426,-66.817 h1.8
  text "Hit Count" at 7.221,-66.817 h1.8
  text "Finished Hole Size" at 24.666,-66.817 h1.8
  text "Plated" at 58.307,-66.817 h1.8
  text "Drill Layer Pair" at 70.953,-66.817 h1.8
  text "Via/Pad" at 113.94,-66.817 h1.8
  text "Hole Type" at 128.687,-66.817 h1.8
  text "Hole Length" at 147.032,-66.817 h1.8
  text "Routed Path Length" at 168.676,-66.817 h1.8
  text "1" at 7.221,-70.567 h1.5
  text "3,200mm (125,98mil)" at 24.666,-70.567 h1.5
  text "NPTH" at 58.307,-70.567 h1.5
  text "Top Layer 1 - Bottom Layer 1" at 70.953,-70.567 h1.5
  text "Pad" at 113.94,-70.567 h1.5
  text "Round" at 128.687,-70.567 h1.5
  text "-" at 147.032,-70.567 h1.5
  text "-" at 168.676,-70.567 h1.5
  text "2" at 7.221,-74.317 h1.5
  text "0,800mm (31,50mil)" at 24.666,-74.317 h1.5
  text "NPTH" at 58.307,-74.317 h1.5
  text "Top Layer 1 - Bottom Layer 1" at 70.953,-74.317 h1.5
  text "Pad" at 113.94,-74.317 h1.5
  text "Round" at 128.687,-74.317 h1.5
  text "-" at 147.032,-74.317 h1.5
  text "-" at 168.676,-74.317 h1.5
  text "2" at 7.221,-78.067 h1.5
  text "0,900mm (35,43mil)" at 24.666,-78.067 h1.5
  text "NPTH" at 58.307,-78.067 h1.5
  text "Top Layer 1 - Bottom Layer 1" at 70.953,-78.067 h1.5
  text "Pad" at 113.94,-78.067 h1.5
  text "Round" at 128.687,-78.067 h1.5
  text "-" at 147.032,-78.067 h1.5
  text "-" at 168.676,-78.067 h1.5
  text "2" at 7.221,-81.817 h1.5
  text "1,300mm (51,18mil)" at 24.666,-81.817 h1.5
  text "PTH" at 58.307,-81.817 h1.5
  text "Top Layer 1 - Bottom Layer 1" at 70.953,-81.817 h1.5
  text "Pad" at 113.94,-81.817 h1.5
  text "Round" at 128.687,-81.817 h1.5
  text "-" at 147.032,-81.817 h1.5
  text "-" at 168.676,-81.817 h1.5
  text "2" at 7.221,-85.567 h1.5
  text "1,500mm (59,06mil)" at 24.666,-85.567 h1.5
  text "PTH" at 58.307,-85.567 h1.5
  text "Top Layer 1 - Bottom Layer 1" at 70.953,-85.567 h1.5
  text "Via" at 113.94,-85.567 h1.5
  text "Round" at 128.687,-85.567 h1.5
  text "-" at 147.032,-85.567 h1.5
  text "-" at 168.676,-85.567 h1.5
  text "4" at 7.221,-89.317 h1.5
  text "2,600mm (102,36mil)" at 24.666,-89.317 h1.5
  text "NPTH" at 58.307,-89.317 h1.5
  text "Top Layer 1 - Bottom Layer 1" at 70.953,-89.317 h1.5
  text "Pad" at 113.94,-89.317 h1.5
  text "Round" at 128.687,-89.317 h1.5
  text "-" at 147.032,-89.317 h1.5
  text "-" at 168.676,-89.317 h1.5
  text "6" at 7.221,-93.067 h1.5
  text "0,900mm (35,43mil)" at 24.666,-93.067 h1.5
  text "PTH" at 58.307,-93.067 h1.5
  text "Top Layer 1 - Bottom Layer 1" at 70.953,-93.067 h1.5
  text "Pad" at 113.94,-93.067 h1.5
  text "Round" at 128.687,-93.067 h1.5
  text "-" at 147.032,-93.067 h1.5
  text "-" at 168.676,-93.067 h1.5
  text "8" at 7.221,-96.817 h1.5
  text "0,650mm (25,59mil)" at 24.666,-96.817 h1.5
  text "PTH" at 58.307,-96.817 h1.5
  text "Top Layer 1 - Bottom Layer 1" at 70.953,-96.817 h1.5
  text "Pad" at 113.94,-96.817 h1.5
  text "Round" at 128.687,-96.817 h1.5
  text "-" at 147.032,-96.817 h1.5
  text "-" at 168.676,-96.817 h1.5
  text "16" at 7.221,-100.567 h1.5
  text "0,800mm (31,50mil)" at 24.666,-100.567 h1.5
  text "PTH" at 58.307,-100.567 h1.5
  text "Top Layer 1 - Bottom Layer 1" at 70.953,-100.567 h1.5
  text "Pad" at 113.94,-100.567 h1.5
  text "Round" at 128.687,-100.567 h1.5
  text "-" at 147.032,-100.567 h1.5
  text "-" at 168.676,-100.567 h1.5
  text "141" at 7.221,-104.317 h1.5
  text "0,300mm (11,81mil)" at 24.666,-104.317 h1.5
  text "PTH" at 58.307,-104.317 h1.5
  text "Top Layer 1 - Bottom Layer 1" at 70.953,-104.317 h1.5
  text "(Mixed)" at 113.94,-104.317 h1.5
  text "Round" at 128.687,-104.317 h1.5
  text "-" at 147.032,-104.317 h1.5
  text "-" at 168.676,-104.317 h1.5
  text "334" at 7.221,-108.067 h1.5
  text "0,400mm (15,75mil)" at 24.666,-108.067 h1.5
  text "PTH" at 58.307,-108.067 h1.5
  text "Top Layer 1 - Bottom Layer 1" at 70.953,-108.067 h1.5
  text "Via" at 113.94,-108.067 h1.5
  text "Round" at 128.687,-108.067 h1.5
  text "-" at 147.032,-108.067 h1.5
  text "-" at 168.676,-108.067 h1.5
  text "518 Total" at 7.221,-111.817 h1.5
  text "DOCUMENT NUMBER:" at 318.75,-175.638 h1.15
  text "04-'.ProjectPCBNumber'-D" at 319,-178.638 h1.6
  text "'.ProjectRevisionFAB'" at 335.678,-183.21 h1.5
TITLE MIRROR (M17):
  lines w0.1: -15.9,-183.273 -15.9,-182.003 ; -15.9,-182.638 -5.74,-182.638 ; -15.9,-181.438 -15.9,-180.438 ; -15.9,-180.938 -5.9,-180.938 ; -13.36,-183.273 -13.36,-182.003 ; -10.9,-181.238 -10.9,-180.638 ; -10.82,-183.273 -10.82,-182.003 ; -8.28,-183.273 -8.28,-182.003 ; -5.9,-181.438 -5.9,-180.438 ; -5.74,-183.273 -5.74,-182.003
  lines w0.127: -22.1,-128.813 -17.02,-128.813 ; -22.1,-68.488 -17.02,-68.488 ; -22.1,-8.163 -17.02,-8.163 ; -17.02,-179.638 64.8,-179.638 ; -17.02,-173.638 64.8,-173.638 ; -17,-167.638 64.82,-167.638 ; -17,-166.138 64.82,-166.138 ; -17,-161.638 -16.383,-161.638 ; -1.7,-184.058 -1.7,-173.638 ; 5.8,-184.058 5.8,-179.638 ; 12.82,-158.638 12.82,-161.638 -16.383,-161.638 ; 18.8,-179.638 18.8,-173.638 ; 36.82,-184.058 36.82,-167.638 ; 41.4,-189.138 41.4,-184.058 ; 41.4,47.082 41.4,52.162 ; 64.82,-184.058 64.82,-158.638 ; 104.9,-189.138 104.9,-184.058 ; 104.9,47.082 104.9,52.162 ; 168.4,-189.138 168.4,-184.058 ; 168.4,47.082 168.4,52.162 ; 231.9,-189.138 231.9,-184.058 ; 231.9,47.082 231.9,52.162 ; 295.4,-189.138 295.4,-184.058 ; 295.4,47.082 295.4,52.162 ; 353.82,-128.813 358.9,-128.813 ; 353.82,-68.488 358.9,-68.488 ; 353.82,-8.163 358.9,-8.163 ; -17.02,-184.058 98.82,-184.058 98.82,-158.638 -17.02,-158.638 -17.02,-184.058 ; -17.02,-184.058 -17.02,47.082 353.82,47.082 353.82,-184.058 -17.02,-184.058 ; -16.383,-161.638 -16.383,-161.638 ; -22.1,-189.138 -22.1,52.162 358.9,52.162 358.9,-189.138 -22.1,-189.138
  text "5" at 55.407,58.748 h1.78 r90
  text "6" at 10.234,48.86 h1.78
  text "4" at 137.336,48.86 h1.78
  text "3" at 201.005,48.86 h1.78
  text "2" at 264.234,48.86 h1.78
  text "1" at 327.624,48.86 h1.78
  text "A" at -18.925,19.828 h1.78
  text "A" at 356.995,19.828 h1.78
  text "B" at -18.925,-40.624 h1.78
  text "B" at 356.995,-40.624 h1.78
  text "C" at -18.925,-100.949 h1.78
  text "C" at 356.995,-100.949 h1.78
  text "PART NUMBER:" at 11.82,-160.638 h1
  text "TITLE:" at 63.82,-160.638 h1.14
  text "'.ProjectpartNumber'" at -0.18,-160.888 h1.5
  text "D" at -18.925,-161.147 h1.78
  text "D" at 356.995,-161.147 h1.78
  text "'.ProjectTitle'" at 63.82,-165.138 h2.5
  text "GERBER FILE:" at 35.82,-169.638 h1.14
  text "PCB DESIGNER:" at 63.82,-169.638 h1.14
  text "'.Plot_File_Name'" at 35.82,-172.638 h1.5
  text "'.ProjectDrawnBy'" at 63.82,-172.638 h1.78
  text "M" at 95.82,-174.638 h15.24
  text "DATE:" at -2.9,-175.638 h1.14
  text "BOARD NUMBER:" at 35.8,-175.638 h1.14
  text "ENGINEER:" at 63.8,-175.638 h1.14
  text "Microchip Technology Inc." at 97.05,-177.898 h1.78
  text "'.PRINT_DATE'" at -2.9,-178.638 h1.5
  text "04-'.ProjectPCBNumber'" at 35.8,-178.638 h1.6
  text "'.ProjectEngineer'" at 63.8,-178.638 h1.78
  text "2355 W. Chandler Blvd." at 95.82,-180.638 h1.78
  text "LAYER NAME:" at 35.8,-181.138 h1.14
  text "10mm" at -2.2,-181.238 h0.7
  text "REV:" at 5.05,-181.388 h1.14
  text "PCB FILE NAME:" at 63.8,-181.388 h1.14
  text "400mil" at -2.1,-182.938 h0.7
  text "Chandler, AZ  85224" at 94.82,-183.138 h1.78
  text "'.PCB_FILE_NAME_NO_PATH'" at 63.8,-183.388 h1.14
  text "6" at 10.234,-187.36 h1.78
  text "5" at 73.861,-187.36 h1.78
  text "4" at 137.336,-187.36 h1.78
  text "3" at 201.005,-187.36 h1.78
  text "2" at 264.234,-187.36 h1.78
  text "1" at 327.624,-187.36 h1.78

## Dimensions
6.699,31 to 4.101,34.963 on Top Layer 1
92.5,0 to 92.5,35.062 on FAB (M4)
4.101,0 to 92.5,35.062 on FAB (M4)

## Text inside footprints (layer, text, board x,y; h text height)
C11: Top Courtyard "C" at 59.943,6.025 h0.6 r90
J2: Top Assembly "1" at 55.134,27.305 h1 r180
J7: Top Assembly "1" at 11.113,33.376 h1 r270
LS: Bottom Overlay "-" at 24.054,6.592 h1.27 r180; Bottom Overlay "+" at 14.046,6.593 h1.27 r180
Q1: Top Assembly "1" at 60.563,24.473 h1
Q3: Top Assembly "1" at 14.265,24.208 h1
U3: Top Assembly "1" at 58.043,5.575 h0.5 r180
U5: Top 3D Body "ANTENNA" at 29.487,31.283 h1.78